# Allegro board WARP7_CPU_REV10_20151109_1600.brd (continued)
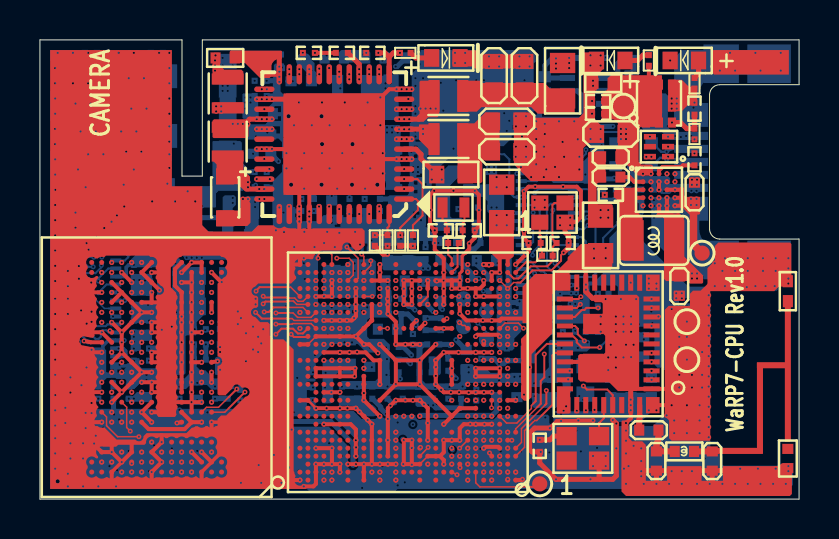
[diagram p0: board, top side]
## Footprints (pads in the part's own frame, mm; a bottom-side part is the same pattern mirrored in y, then rotated) (continued)
FPC2X20_4P4
  rect 0.203x0.559 smd: 1(-3.8,1.304) 2(-3.8,-1.304) 3(-3.4,1.304) 4(-3.4,-1.304) 5(-3,1.304) 6(-3,-1.304) 7(-2.6,1.304) 8(-2.6,-1.304) 9(-2.2,1.304) 10(-2.2,-1.304) 11(-1.8,1.304) 12(-1.8,-1.304) 13(-1.4,1.304) 14(-1.4,-1.304) 15(-1,1.304) 16(-1,-1.304) 17(-0.6,1.304) 18(-0.6,-1.304) 19(-0.2,1.304) 20(-0.2,-1.304) 21(0.2,1.304) 22(0.2,-1.304) 23(0.6,1.304) 24(0.6,-1.304) 25(1,1.304) 26(1,-1.304) 27(1.4,1.304) 28(1.4,-1.304) 29(1.8,1.304) 30(1.8,-1.304) 31(2.2,1.304) 32(2.2,-1.304) 33(2.6,1.304) 34(2.6,-1.304) 35(3,1.304) 36(3,-1.304) 37(3.4,1.304) 38(3.4,-1.304) 39(3.8,1.304) 40(3.8,-1.304)
  rect 0.356x0.559 smd: 41(-4.278,1.304) 42(-4.278,-1.304) 43(4.278,1.304) 44(4.278,-1.3)
L20X16
  rect 0.559x1.6 smd: 1(-0.721,0) 2(0.721,0)
L0402
  rect 0.508x0.559 smd: 1(-0.483,0) 2(0.483,0)
L0603
  rect 0.762x0.889 smd: 1(-0.711,0) 2(0.711,0)
L1008
  rect 1.016x2.032 smd: 1(-1.016,0) 2(1.016,0)
LED0603
  rect 0.762x0.889 smd: 1(-0.711,0) 2(0.711,0)
QFN38_8PUH
  rect 0.813x0.254 smd: 1(-2.169,2.25) 2(-2.169,1.8) 3(-2.169,1.35) 4(-2.169,0.9) 5(-2.169,0.45) 6(-2.169,0) 7(-2.169,-0.45) 8(-2.169,-0.9) 9(-2.169,-1.35) 10(-2.169,-1.8) 11(-2.169,-2.25) 22(2.169,-2.25) 23(2.169,-1.8) 24(2.169,-1.35) 25(2.169,-0.9) 26(2.169,-0.45) 27(2.169,0) 28(2.169,0.45) 29(2.169,0.9) 30(2.169,1.35) 31(2.169,1.8) 32(2.169,2.25)
  rect 0.686x0.813 smd: 12(-2.232,-3.069) 21(2.232,-3.069) 33(2.232,3.069) 42(-2.232,3.069)
  rect 0.254x0.813 smd: 13(-1.575,-3.069) 14(-1.125,-3.069) 15(-0.675,-3.069) 16(-0.225,-3.069) 17(0.225,-3.069) 18(0.675,-3.069) 19(1.125,-3.069) 20(1.575,-3.069) 34(1.575,3.069) 35(1.125,3.069) 36(0.675,3.069) 37(0.225,3.069) 38(-0.225,3.069) 39(-0.675,3.069) 40(-1.125,3.069) 41(-1.575,3.069)
  rect 1.016x1.016 smd: 43(-0.75,1) 44(-0.75,-1) 45(0.75,1) 46(0.75,-1)
QFN48_1P5B
  oval 1.016x0.279 smd: 1(-3.5,2.75) 2(-3.5,2.25) 3(-3.5,1.75) 4(-3.5,1.25) 5(-3.5,0.75) 6(-3.5,0.25) 7(-3.5,-0.25) 8(-3.5,-0.75) 9(-3.5,-1.25) 10(-3.5,-1.75) 11(-3.5,-2.25) 12(-3.5,-2.75) 25(3.5,-2.75) 26(3.5,-2.25) 27(3.5,-1.75) 28(3.5,-1.25) 29(3.5,-0.75) 30(3.5,-0.25) 31(3.5,0.25) 32(3.5,0.75) 33(3.5,1.25) 34(3.5,1.75) 35(3.5,2.25) 36(3.5,2.75)
  oval 0.279x1.016 smd: 13(-2.75,-3.5) 14(-2.25,-3.5) 15(-1.75,-3.5) 16(-1.25,-3.5) 17(-0.75,-3.5) 18(-0.25,-3.5) 19(0.25,-3.5) 20(0.75,-3.5) 21(1.25,-3.5) 22(1.75,-3.5) 23(2.25,-3.5) 24(2.75,-3.5) 37(2.75,3.5) 38(2.25,3.5) 39(1.75,3.5) 40(1.25,3.5) 41(0.75,3.5) 42(0.25,3.5) 43(-0.25,3.5) 44(-0.75,3.5) 45(-1.25,3.5) 46(-1.75,3.5) 47(-2.25,3.5) 48(-2.75,3.5)
  rect 5.08x5.08 smd: 49(0,0)
R0201
  rect 0.305x0.305 smd: 1(-0.267,0) 2(0.267,0)
R0402
  rect 0.508x0.559 smd: 1(-0.483,0) 2(0.483,0)
R0603
  rect 0.762x0.889 smd: 1(-0.711,0) 2(0.711,0)
R0805
  rect 1.016x1.27 smd: 1(-0.889,0) 2(0.889,0)
SOD0402
  rect 0.406x0.61 smd: 1(-0.403,0)
  rect 0.559x0.61 smd: 2(0.329,0)
SOD523
  rect 0.406x0.508 smd: 1(0,0.65) 2(0,-0.65)
SOD0805
  rect 0.813x0.914 smd: 1(-1.05,0) 2(1.05,0)
SOD962
  rect 0.152x0.254 smd: 1(-0.2,0) 2(0.2,0)
SOT363_6
  rect 0.305x0.762 smd: 1(-0.65,-0.9) 2(0,-0.9) 3(0.65,-0.9) 4(0.65,0.9) 5(0,0.9) 6(-0.65,0.9)
TP30
  round 0.762 smd: 1(0,0)
USBS5_6PF
  rect 0.406x1.702 smd: 1(-1.3,3.174) 2(-0.65,3.174) 3(0,3.174) 4(0.65,3.174) 5(1.3,3.174)
  rect 1.194x1.702 smd: 6(-2.35,3.174) 7(2.35,3.174)
  rect 1.93x1.778 smd: 8(-4.915,1.675) 9(4.915,1.675)
  rect 1.93x2.184 smd: 10(-4.915,-0.725) 11(4.915,-0.725)
X2S16X10
  rect 0.508x1.016 smd: 1(-0.55,0) 2(0.55,0)
X4S16X12
  rect 0.864x0.762 smd: 1(-0.632,-0.481) 2(0.632,-0.481) 3(0.632,0.481) 4(-0.632,0.481)
X4S20X16
  rect 0.762x0.66 smd: 1(-0.656,-0.505) 2(0.656,-0.505) 3(0.656,0.505) 4(-0.656,0.505)
X4S25X20
  rect 1.016x0.914 smd: 1(-0.813,-0.612) 2(0.813,-0.612) 3(0.813,0.612) 4(-0.813,0.612)

## Nets
GND: ANT1.2 C2.2 C3.2 C4.2 C5.2 C9.2 C12.2 C13.2 C14.2 C15.2 C17.2 C18.2 C19.2 C20.2 C21.2 C22.2 C23.2 C24.2 C25.2 C26.2 C27.2 C28.2 C29.2 C30.2 C31.2 C32.2 C33.2 C34.2 C35.2 C36.2 C37.2 C38.2 C39.2 C40.2 C41.2 C42.2 C43.2 C44.2 C45.2 C46.2 C47.2 C48.2 C49.2 C50.2 C51.2 C52.2 C53.2 C54.2 C55.2 C56.2 C57.2 C58.2 C59.2 C60.2 C61.2 C62.2 C63.2 C64.2 C65.2 C66.2 C67.2 C68.2 C69.2 C70.2 C71.2 C72.2 C73.2 C74.2 C75.2 C76.2 C77.2 C78.2 C79.2 C80.2 C81.2 C82.2 C83.2 C84.2 C85.2 C86.2 C87.2 C88.2 C89.2 C90.2 C91.2 C92.2 C93.2 C94.2 C95.2 C96.2 C97.2 C98.2 C99.2 C102.2 C103.2 C104.2 C105.2 C106.2 C107.2 C108.2 C109.2 C110.2 C111.2 C112.2 C113.2 C114.2 C115.2 C116.2 C117.2 C118.2 C119.2 C120.2 C121.2 C122.2 C123.2 C124.2 C125.2 C126.2 C127.2 C128.2 C129.2 C130.2 C131.2 C132.2 C133.2 C134.2 C135.2 C136.2 C137.2 C138.2 C139.2 C140.2 C141.2 C142.2 C143.2 C144.2 C145.2 C146.2 C147.2 C148.2 C149.2 C153.2 C154.2 C155.2 C156.2 C157.2 C158.2 C159.2 D1.1(ANODE) D3.2(CATHODE) D5.4(GND) D6.2(CATHODE) J1.5(P5) J2.13 J2.17 J2.20 J2.23 J2.24 J2.25 J2.30 J2.31 J2.36 J2.41 J2.42 J2.43 J2.44 J3.12 J3.16 J3.20 J3.28 J3.29 J3.32 J3.33 J3.41 J3.42 J3.43 J3.44 J6.1(DGND1) J6.4(DGND6) J6.10(DGND5) J6.11(DGND2) J6.15(DGND3) J6.16(DGND4) J6.21 J6.22 J6.23 J6.24 Q2.4(E2) R5.1 R8.1 R9.1 R14.1 R32.2 R33.1 R34.1 R35.1 R36.1 R37.2 R38.2 R40.1 R41.2 R47.1 TP8.1(PIN1) TP9.1(PIN1) TP10.1(PIN1) TP11.1(PIN1) TVS1.1(A1) U1.B3(BATSNSN) U1.C3(GND) U2.5(ICTEST) U2.12(GNDREF1) U2.26(GNDREF2) U2.31(VPWR) U2.39(VDDOTP) U2.40(GNDREF) U2.49(EPAD) U3.A1(VSS_001) U3.A28(VSS_002) U3.AA3(TEST_MODE) U3.AA4(VSS_057) U3.AA6(VSS_058) U3.AA23(VSS_059) U3.AA25(VSS_060) U3.AC8(VSS_061) U3.AC10(VSS_062) U3.AC12(VSS_063) U3.AC14(VSS_064) U3.AC15(VSS_065) U3.AC17(VSS_066) U3.AC21(VSS_067) U3.AD3(VSS_068) U3.AD5(VSS_069) U3.AD6(VSS_070) U3.AD24(VSS_071) U3.AD26(VSS_072) U3.AE2(CCM_CLK2) U3.AE6(VSS_073) U3.AE7(VSS_074) U3.AE8(VSS_075) U3.AE9(VSS_076) U3.AE17(VSS_077) U3.AE21(VSS_078) U3.AF3(VSS_079) U3.AF5(VSS_080) U3.AF8(VSS_081) U3.AF9(VSS_082) U3.AF10(VSS_083) U3.AF11(VSS_084) U3.AF13(VSS_085) U3.AF14(VSS_086) U3.AF15(VSS_087) U3.AF24(VSS_088) U3.AF26(VSS_089) U3.AG10(VSS_090) U3.AH1(VSS_091) U3.AH28(VSS_092) U3.B5(VSS_003) U3.B23(VSS_004) U3.B26(VSS_005) U3.C3(VSS_006) U3.C5(VSS_007) U3.C7(VSS_008) U3.C10(VSS_009) U3.C13(VSS_010) U3.C14(VSS_011) U3.C15(VSS_012) U3.C23(VSS_013) U3.C24(VSS_014) U3.C25(VSS_015) U3.C26(VSS_016) U3.D8(VSS_017) U3.D11(VSS_018) U3.D12(VSS_019) U3.D17(VSS_020) U3.D21(VSS_021) U3.E3(VSS_022) U3.E5(VSS_023) U3.E24(VSS_024) U3.E26(VSS_025) U3.F8(VSS_026) U3.F9(VSS_027) U3.F10(VSS_028) U3.F12(VSS_029) U3.F14(VSS_030) U3.F15(VSS_031) U3.F17(VSS_032) U3.F21(VSS_033) U3.H4(VSS_034) U3.H6(VSS_035) U3.H23(VSS_036) U3.H25(VSS_037) U3.L13(VSS_038) U3.L16(VSS_039) U3.M4(VSS_040) U3.M6(VSS_041) U3.M23(VSS_042) U3.M25(VSS_043) U3.N11(VSS_044) U3.N18(VSS_045) U3.T11(VSS_046) U3.T18(VSS_047) U3.U4(VSS_048) U3.U6(VSS_049) U3.U23(VSS_050) U3.U25(VSS_051) U3.V13(VSS_052) U3.V16(VSS_053) U3.W3(VSS_054) U3.W6(VSS_055) U3.Y16(VSS_056) U4.A3(VSSM1) U4.A8(VSSM2) U4.A12(VSSM3) U4.AA2(VSS47) U4.AA4(VSS48) U4.AA8(VSS49) U4.AA11(VSS50) U4.B2(VSSM4) U4.B7(VSSM5) U4.B11(VSSM6) U4.C3(VSSM7) U4.C5(VSSM8) U4.C8(VSSM9) U4.C10(VSSM10) U4.C12(VSSM11) U4.C13(VSSM12) U4.D7(VSSM13) U4.F2(VSS1) U4.F13(VSS2) U4.G4(VSS3) U4.G8(VSS4) U4.G11(VSS5) U4.H3(VSS6) U4.H4(VSS7) U4.H5(VSS8) U4.H10(VSS9) U4.J4(VSS10) U4.J8(VSS11) U4.J13(VSS12) U4.K4(VSS13) U4.K8(VSS14) U4.K9(VSS15) U4.L4(VSS16) U4.L10(VSS17) U4.L12(VSS18) U4.M3(VSS19) U4.M4(VSS20) U4.M8(VSS21) U4.N4(VSS22) U4.N8(VSS23) U4.N13(VSS24) U4.P2(VSS25) U4.P4(VSS26) U4.P9(VSS27) U4.P12(VSS28) U4.R3(VSS29) U4.R4(VSS30) U4.R8(VSS31) U4.R13(VSS32) U4.T4(VSS33) U4.T8(VSS34) U4.U4(VSS35) U4.U10(VSS36) U4.U12(VSS37) U4.V4(VSS38) U4.V8(VSS39) U4.V9(VSS40) U4.W4(VSS41) U4.W8(VSS42) U4.W13(VSS43) U4.Y4(VSS44) U4.Y5(VSS45) U4.Y10(VSS46) U5.1(GND0) U5.12(GND1) U5.19(GND2) U5.21(GND3) U5.29(GND4) U5.35(GND5) U5.40(GND6) U5.42(GND7) U5.43(GND8) U5.44(GND9) U5.45(GND10) U5.46(GND11) X1.2(GND) X2.2(GND) Y2.2 Y2.4
GND_SR_PVSS: C150.2 C151.2 R41.1 U5.32(GND(SR_PVSS)1) U5.33(GND(SR_PVSS)2)
PGND: C7.2 C8.2 C11.2 R9.2 U1.E1(PGND1) U1.E2(PGND2)
PVCC_ENET_CAP: C93.1 U3.G16(PVCC_ENET_CAP)
PVCC_I2C_SPI_UART_CAP: C102.1 U3.W8(PVCC_I2C_SPI_UART_CAP)
VBAT: C12.1 J3.1 J3.2 J3.3 J3.4 J3.6 TP12.1(PIN1) U1.C4(BATREG) U1.C5(CHGOUT1) U1.D5(CHGOUT2) U1.E5(CHGOUT3)
VDD_1P2_CAP: C69.1 C70.1 U3.AA10(VDD_1P2_CAP) U3.C12(VDD_USB_H_1P2_1) U3.G13(VDD_USB_H_1P2_2)
VDD_ARM_IN: C50.1 C51.1 C52.1 C53.1 R16.1 U2.6(SW1AFB) U3.A20(VDD_ARM_IN_01) U3.B20(VDD_ARM_IN_02) U3.C16(VDD_ARM_IN_03) U3.C17(VDD_ARM_IN_04) U3.C18(VDD_ARM_IN_05) U3.C19(VDD_ARM_IN_06) U3.C20(VDD_ARM_IN_07) U3.C21(VDD_ARM_IN_08) U3.C22(VDD_ARM_IN_09) U3.F19(VDD_ARM_IN_10) U3.H19(VDD_ARM_IN_11) U3.J20(VDD_ARM_IN_12) U3.K21(VDD_ARM_IN_13) U3.K23(VDD_ARM_IN_14) U3.K26(VDD_ARM_IN_15) U3.L27(VDD_ARM_IN_16) U3.L28(VDD_ARM_IN_17)
VDD_OTG1_1P0_CAP: C96.1 C97.1 U3.E9(VDD_USB_OTG1_1P0_CAP)
VDD_SNVS_1P8_CAP: C76.1 U3.AG7(VDD_SNVS_1P8_CAP)
VDD_SOC_IN: C61.1 C62.1 C63.1 C64.1 C65.1 C68.1 R21.2 U2.11(SW1BFB) U3.H10(VDD_SOC_IN_01) U3.J9(VDD_SOC_IN_02) U3.K3(VDD_SOC_IN_03) U3.K6(VDD_SOC_IN_04) U3.K8(VDD_SOC_IN_05) U3.L1(VDD_SOC_IN_06) U3.L2(VDD_SOC_IN_07) U3.L11(VDD_SOC_IN_08) U3.L18(VDD_SOC_IN_09) U3.N13(VDD_SOC_IN_10) U3.N16(VDD_SOC_IN_11) U3.P3(VDD_SOC_IN_12) U3.P6(VDD_SOC_IN_13) U3.P23(VDD_SOC_IN_14) U3.P26(VDD_SOC_IN_15) U3.R3(VDD_SOC_IN_16) U3.R6(VDD_SOC_IN_17) U3.R23(VDD_SOC_IN_18) U3.R26(VDD_SOC_IN_19) U3.T13(VDD_SOC_IN_20) U3.T16(VDD_SOC_IN_21) U3.V11(VDD_SOC_IN_22) U3.V18(VDD_SOC_IN_23)
VDDA_1P0_CAP: C66.1 C67.1 U3.AH7(VDDA_1P0_CAP)
VDDA_1P8_IN: C71.1 C72.1 L8.2 R22.2 U3.AF4(VDDA_1P8_IN_01) U3.AG3(VDDA_1P8_IN_02) U3.AG4(VDDA_1P8_IN_03) U3.AH2(VDD_XTAL_1P8)
VDDA_PHY_1P8: C58.1 C59.1 C60.1 U3.J15(VDDA_MIPI_1P8) U3.Y14(VDDA_PHY_1P8)
VDDD_1P0_CAP: C54.1 C55.1 C56.1 C57.1 U3.AC13(VDDD_1P0_CAP1) U3.AE12(VDDD_1P0_CAP2) U3.AF12(VDDD_1P0_CAP3) U3.J16(VDD_MIPI_1P0)
VDDIO_WL: C149.1 L11.1 R42.2 R43.2 R44.2 R45.2 R46.2 U5.36(VIO)
AUDIO_SAI1_MCLK: J3.30 U3.D3(SAI1_MCLK)
AUDIO_SAI1_RXD: J3.35 U3.F3(SAI1_RXD)
AUDIO_SAI1_TXC: J3.31 U3.F4(SAI1_TXC)
AUDIO_SAI1_TXD: J3.36 U3.G5(SAI1_TXD)
AUDIO_SAI1_TXFS: J3.34 U3.F5(SAI1_TXFS)
BC3770_INT_B: R13.1 U1.B5(INTB) U3.G2(SD2_CMD)
BC3770_SHDN_B: U1.D3(SHDNB) U3.G1(SD2_CLK)
BOOT_MODE0: J2.28 U3.Y1(BOOT_MODE0)
BOOT_MODE1: J2.26 U3.Y2(BOOT_MODE1)
BT_HOST_WAKE: U3.E1(S\D\2\_\C\D\) U5.38(BT_HOST_WAKE)
BT_REG_ON: U3.G3(SD2_DATA3) U5.14(BT_REG_ON)
CHARGE_EN_B: U1.D2(CHGENB) U3.F2(SD2_DATA0)
CSI_PWDN_B: J6.5(PWDN) U3.V4(GPIO1_IO00)
DDR_VREF: C21.1 C107.1 C108.1 C109.1 U2.25(VREFDDR) U3.T20(DRAM_VREF) U4.M2(VREFCA) U4.P13(VREFDQ)
DRAM_ADDR0: U3.AC24(DRAM_ADDR00) U4.Y2(CA0)
DRAM_ADDR1: U3.AC25(DRAM_ADDR01) U4.Y3(CA1)
DRAM_ADDR2: U3.AC26(DRAM_ADDR02) U4.W2(CA2)
DRAM_ADDR3: U3.AB25(DRAM_ADDR03) U4.W3(CA3)
DRAM_ADDR4: U3.AB24(DRAM_ADDR04) U4.V3(CA4)
DRAM_ADDR5: U3.AE23(DRAM_ADDR05) U4.L3(CA5)
DRAM_ADDR6: U3.AF23(DRAM_ADDR06) U4.K3(CA6)
DRAM_ADDR7: U3.AE22(DRAM_ADDR07) U4.J3(CA7)
DRAM_ADDR8: U3.AD22(DRAM_ADDR08) U4.J2(CA8)
DRAM_ADDR9: U3.AC22(DRAM_ADDR09) U4.H2(CA9)
DRAM_CS0_B: U3.AE26(D\R\A\M\_\C\S\0\) U4.U3(C\S\0\)
DRAM_CS1_B: U3.AC23(D\R\A\M\_\C\S\1\) U4.T3(C\S\1\)
DRAM_DATA0: U3.AH22(DRAM_DATA00) U4.W12(DQ0)
DRAM_DATA1: U3.AG19(DRAM_DATA01) U4.V11(DQ1)
DRAM_DATA2: U3.AG20(DRAM_DATA02) U4.V13(DQ2)
DRAM_DATA3: U3.AF22(DRAM_DATA03) U4.U11(DQ3)
DRAM_DATA4: U3.AF20(DRAM_DATA04) U4.U13(DQ4)
DRAM_DATA5: U3.AG22(DRAM_DATA05) U4.T11(DQ5)
DRAM_DATA6: U3.AF21(DRAM_DATA06) U4.T13(DQ6)
DRAM_DATA7: U3.AH20(DRAM_DATA07) U4.R12(DQ7)
DRAM_DATA8: U3.AC18(DRAM_DATA08) U4.N12(DQ8)
DRAM_DATA9: U3.AB18(DRAM_DATA09) U4.M13(DQ9)
DRAM_DATA10: U3.AD16(DRAM_DATA10) U4.M11(DQ10)
DRAM_DATA11: U3.AC16(DRAM_DATA11) U4.L13(DQ11)
DRAM_DATA12: U3.AD18(DRAM_DATA12) U4.L11(DQ12)
DRAM_DATA13: U3.AE18(DRAM_DATA13) U4.K11(DQ13)
DRAM_DATA14: U3.AB16(DRAM_DATA14) U4.K13(DQ14)
DRAM_DATA15: U3.AE16(DRAM_DATA15) U4.J12(DQ15)
DRAM_DATA16: U3.W27(DRAM_DATA16) U4.AB12(DQ16)
DRAM_DATA17: U3.Y27(DRAM_DATA17) U4.AB11(DQ17)
DRAM_DATA18: U3.Y26(DRAM_DATA18) U4.AB10(DQ18)
DRAM_DATA19: U3.Y28(DRAM_DATA19) U4.AA13(DQ19)
DRAM_DATA20: U3.AA26(DRAM_DATA20) U4.AA12(DQ20)
DRAM_DATA21: U3.AB26(DRAM_DATA21) U4.AA10(DQ21)
DRAM_DATA22: U3.AB27(DRAM_DATA22) U4.Y13(DQ22)
DRAM_DATA23: U3.AB28(DRAM_DATA23) U4.Y11(DQ23)
DRAM_DATA24: U3.V23(DRAM_DATA24) U4.H11(DQ24)
DRAM_DATA25: U3.V22(DRAM_DATA25) U4.H13(DQ25)
DRAM_DATA26: U3.T23(DRAM_DATA26) U4.G10(DQ26)
DRAM_DATA27: U3.T22(DRAM_DATA27) U4.G12(DQ27)
DRAM_DATA28: U3.V24(DRAM_DATA28) U4.G13(DQ28)
DRAM_DATA29: U3.V25(DRAM_DATA29) U4.F10(DQ29)
DRAM_DATA30: U3.T25(DRAM_DATA30) U4.F11(DQ30)
DRAM_DATA31: U3.T24(DRAM_DATA31) U4.F12(DQ31)
DRAM_DQM0: U3.AH24(DRAM_DQM0) U4.R10(DM0)
DRAM_DQM1: U3.AD20(DRAM_DQM1) U4.N10(DM1)
DRAM_DQM2: U3.AD28(DRAM_DQM2) U4.W10(DM2)
DRAM_DQM3: U3.Y25(DRAM_DQM3) U4.J10(DM3)
DRAM_ODT: U3.AF16(DRAM_ODT0) U4.P10(ODT)
DRAM_SDCKE0: R38.1 U3.Y22(DRAM_SDCKE0) U4.T2(CKE0)
DRAM_SDCKE1: R37.1 U3.AB23(DRAM_SDCKE1) U4.R2(CKE1)
DRAM_SDCLK0_N: U3.AF25(DRAM_SDCLK0_N) U4.N3(CK_C)
DRAM_SDCLK0_P: U3.AE25(DRAM_SDCLK0_P) U4.P3(CK_T)
DRAM_SDQS0_N: U3.AG23(DRAM_SDQS0_N) U4.R9(DQS0_C)
DRAM_SDQS0_P: U3.AG24(DRAM_SDQS0_P) U4.T9(DQS0_T)
DRAM_SDQS1_N: U3.AC20(DRAM_SDQS1_N) U4.N9(DQS1_C)
DRAM_SDQS1_P: U3.AB20(DRAM_SDQS1_P) U4.M9(DQS1_T)
DRAM_SDQS2_N: U3.AD27(DRAM_SDQS2_N) U4.W9(DQS2_C)
DRAM_SDQS2_P: U3.AC27(DRAM_SDQS2_P) U4.Y9(DQS2_T)
DRAM_SDQS3_N: U3.Y24(DRAM_SDQS3_N) U4.J9(DQS3_C)
DRAM_SDQS3_P: U3.Y23(DRAM_SDQS3_P) U4.H9(DQS3_T)
DRAM_VDD1: C115.1 C116.1 C117.1 C118.1 C119.1 L9.2 U4.AA3(VDD1_5) U4.AA5(VDD1_6) U4.AB3(VDD1_7) U4.AB4(VDD1_8) U4.AB9(VDD1_9) U4.F3(VDD1_1) U4.F4(VDD1_2) U4.F9(VDD1_3) U4.G5(VDD1_4)
I2C1_SCL: R12.1 U1.A4(SCL) U2.46(SCL) U3.N4(I2C1_SCL)
I2C1_SDA: R11.1 U1.A5(SDA) U2.45(SDA) U3.N5(I2C1_SDA)
I2C2_SCL: J3.14 J6.18(SIOC) U3.N6(I2C2_SCL)
I2C2_SDA: J3.13 J6.20(SIOD) U3.N7(I2C2_SDA)
I2C3_SCL: J3.27 R28.1 U3.T6(I2C3_SCL)
I2C3_SDA: J3.26 R29.1 U3.T7(I2C3_SDA)
I2C4_SCL: J2.8 R30.1 U3.T5(I2C4_SCL)
I2C4_SDA: J2.7 R31.1 U3.T4(I2C4_SDA)
JTAG_MOD: J3.22 U3.AB1(JTAG_MOD)
JTAG_TCK: J3.18 U3.AD1(JTAG_TCK)
JTAG_TDI: J3.21 U3.AC2(JTAG_TDI)
JTAG_TDO: J3.19 U3.AE1(JTAG_TDO)
JTAG_TMS: J3.17 U3.AD2(JTAG_TMS)
JTAG_TRST_B: J3.15 U3.AB2(J\T\A\G\_\T\R\S\T\)
LCD_BK_CTL: J2.5 U3.D7(ENET1_RD2)
LICELL: C22.1 U2.36(LICELL)
MCLK: J6.13(MCLK) X2.3(OUT)
MIPI_CSI_CLK_N: J6.14(CLK_N) U3.B16(MIPI_CSI_CLK_N)
MIPI_CSI_CLK_P: J6.12(CLK_P) U3.A16(MIPI_CSI_CLK_P)
MIPI_CSI_D0_N: J6.8(MDN0) U3.B18(MIPI_CSI_D0_N)
MIPI_CSI_D0_P: J6.6(MDP0) U3.A18(MIPI_CSI_D0_P)
MIPI_DSI_CLK_N: J2.34 U3.B24(MIPI_DSI_CLK_N)
MIPI_DSI_CLK_P: J2.32 U3.A24(MIPI_DSI_CLK_P)
MIPI_DSI_D0_N: J2.29 U3.B25(MIPI_DSI_D0_N)
MIPI_DSI_D0_P: J2.27 U3.A25(MIPI_DSI_D0_P)
MKBUS_ESPI3_MISO: J2.19 U3.P2(ECSPI2_MISO)
MKBUS_ESPI3_MOSI: J2.16 U3.N2(ECSPI2_MOSI)
MKBUS_ESPI3_SCLK: J2.15 U3.N1(ECSPI2_SCLK)
MKBUS_ESPI3_SS0_B: J2.14 U3.R2(ECSPI2_SS0)
MKBUS_INT: J2.21 U3.D13(ENET1_TD1)
MKBUS_PWM2: J2.22 U3.E16(ENET1_TD2)
MKBUS_RST: J2.18 U3.E13(ENET1_TD0)
MKBUS_UART5_RXD: J3.23 U3.L3(ECSPI1_MOSI)
MKBUS_UART5_TXD: J3.24 U3.K2(ECSPI1_SCLK)
MX7_ONOFF: J3.9 U3.AD13(ONOFF)
NOBAT: J3.5 U1.C2(NOBAT)
NTAG_FD_INT: J3.11 U3.F16(ENET1_TD3)
NVCC_3V15: C33.1 C49.1 C82.1 C85.1 C89.1 C91.1 C92.1 C95.1 C99.1 C120.1 C121.1 C153.1 R11.2 R12.2 R13.2 R28.2 R29.2 R30.2 R31.2 R39.1 U1.B4(VIO) U2.32(V33) U2.47(VDDIO) U3.D9(VDD_USB_OTG1_3P3_IN) U3.J11(NVCC_SD1) U3.J13(NVCC_SAI) U3.J18(NVCC_ENET1) U3.L20(NVCC_LCD) U3.N9(NVCC_SD3) U3.N20(NVCC_EPDC2) U3.P9(NVCC_SPI) U3.P20(NVCC_EPDC1) U3.R9(NVCC_I2C) U3.T9(NVCC_UART) U4.A4(VCCQ1) U4.B6(VCCQ2) U4.B9(VCCQ3) U4.C7(VCCQ4) U4.C11(VCCQ5) X1.4(VCC)
NVCC_DRAM: C16.1 C106.1 C110.1 C111.1 C112.1 C113.1 C114.1 C124.1 C125.1 C126.1 C127.1 C128.1 C129.1 C130.1 C131.1 C132.1 C133.1 C134.1 C135.1 C136.1 C137.1 C138.1 C139.1 C140.1 C141.1 C142.1 C143.1 C144.1 C145.1 C146.1 C147.1 C148.1 R15.2 U2.24(VINREFDDR) U3.AA19(NVCC_DRAM_07) U3.AC19(NVCC_DRAM_08) U3.AF17(NVCC_DRAM_09) U3.AF18(NVCC_DRAM_10) U3.AF19(NVCC_DRAM_11) U3.AG18(NVCC_DRAM_12) U3.AH18(NVCC_DRAM_13) U3.V20(NVCC_DRAM_CKE) U3.V27(NVCC_DRAM_01) U3.V28(NVCC_DRAM_02) U3.W21(NVCC_DRAM_03) U3.W23(NVCC_DRAM_04) U3.W26(NVCC_DRAM_05) U3.Y20(NVCC_DRAM_06) U4.AA9(VDDQ_22) U4.AB5(VDD2_17) U4.AB8(VDD2_18) U4.F5(VDD2_1) U4.F8(VDD2_2) U4.G9(VDDQ_1) U4.H8(VDDQ_2) U4.H12(VDDQ_3) U4.J5(VDD2_3) U4.J11(VDDQ_4) U4.K2(VDDCA_1) U4.K5(VDD2_4) U4.K10(VDDQ_5) U4.K12(VDDQ_6) U4.L2(VDD2_5) U4.L5(VDD2_6) U4.L8(VDDQ_7) U4.L9(VDDQ_8) U4.M5(VDD2_7) U4.M10(VDDQ_9) U4.M12(VDDQ_10) U4.N2(VDDCA_2) U4.N5(VDD2_8) U4.N11(VDDQ_11) U4.P5(VDD2_9) U4.P8(VDD2_10) U4.P11(VDD2_11) U4.R5(VDD2_12) U4.R11(VDDQ_12) U4.T5(VDD2_13) U4.T10(VDDQ_13) U4.T12(VDDQ_14) U4.U2(VDDCA_3) U4.U5(VDD2_14) U4.U8(VDDQ_15) U4.U9(VDDQ_16) U4.V2(VDDCA_4) U4.V5(VDD2_15) U4.V10(VDDQ_17) U4.V12(VDDQ_18) U4.W5(VDD2_16) U4.W11(VDDQ_19) U4.Y8(VDDQ_20) U4.Y12(VDDQ_21)
NVCC_SD2: C32.1 C86.1 U2.33(VCC_SD) U3.L9(NVCC_SD2)
OVRPRTC: Q2.2(B2) R7.2 R8.2
PCM_CLK: U3.D4(SAI2_TXC) U5.11(BT_PCM_CLK)
PCM_IN: U3.D6(SAI2_TXD) U5.9(BT_PCM_IN)
PCM_OUT: U3.E6(SAI2_RXD) U5.10(BT_PCM_OUT)
PCM_SYNC: U3.F6(SAI2_TXFS) U5.8(BT_PCM_SYNC)
PERI_3V15: C122.1 C123.1 C158.1 D8.2(A) J2.1 J2.2 J2.3 J2.4 L11.2 U4.B3(VCC1) U4.B12(VCC2) U4.B13(VCC3) U4.C4(VCC4) U4.D8(VCC5)
PMIC_5V0: C37.1 C38.1 D7.2(C) J2.33 J2.35 U2.37(SWBSTFB)
PMIC_INT_B: R17.1 U2.1(INTB) U3.Y7(GPIO1_IO02)
PMIC_ON_REQ: R19.1 R20.2 U2.48(PWRON) U3.AE13(SNVS_PMIC_ON_REQ)
PMIC_PWR: C11.1 C13.1 C26.1 C27.1 C28.1 C29.1 C30.1 C31.1 C34.1 C35.1 C36.1 C43.1 C151.1 J3.37 J3.38 J3.39 J3.40 L2.2 L6.2 R10.2 TP7.1(PIN1) U1.D4(VSYS1) U1.E3(VSYS2) U1.E4(VSYS3) U2.7(SW1AIN) U2.10(SW1BIN) U2.13(VLDO1IN) U2.18(SW2IN) U2.21(VLDO34IN) U2.28(SW3IN) U2.38(VIN2) U2.42(VIN) U5.30(VBAT)
PMIC_PWRON: J3.25 R20.1
PMIC_SD_VSEL: U2.2(SD_VSEL) U3.E2(SD2_DATA1)
PMIC_STBY_REQ: U2.4(STANDBY) U3.AD11(PMIC_STBY_REQ)
PMIC_VCORE: C46.1 U2.41(VCORE)
PMIC_VCOREREF: C45.1 U2.44(VCOREREF)
POR_B: J3.7 R18.1 U2.3(RESETBMCU) U3.Y3(P\O\R\)
PSU_5V0: C3.1 C4.1 C5.1 C7.1 Q1.1(D1) Q1.2(D2) Q1.5(D3) Q1.6(D4) Q1.7(D5) R2.2 TP6.1(PIN1) TVS1.2(A2) U1.A1(VBUS1) U1.A2(VBUS2)
PWR_LED: D3.1(ANODE) R2.1
PWR_OV_BASE: Q2.1(B1) R4.2
PWR_OV_CTL: D1.2(CATHODE) R1.1 R4.1
RTC_XTALI: C84.1 R26.1 U3.AG9(RTC_XTALI) Y1.1
RTC_XTALO: C83.1 R26.2 U3.AH9(RTC_XTALO) Y1.2
SD1_CLK: U3.B3(SD1_CLK) U5.20(SDIO_CLK)
SD1_CMD: R44.1 U3.A2(SD1_CMD) U5.22(SDIO_CMD)
SD1_DATA0: R42.1 U3.B4(SD1_DATA0) U5.24(SDIO_DATA_0)
SD1_DATA1: R45.1 U3.A4(SD1_DATA1) U5.26(SDIO_DATA_1)
SD1_DATA2: R46.1 U3.B2(SD1_DATA2) U5.23(SDIO_DATA_2)
SD1_DATA3: R43.1 U3.B1(SD1_DATA3) U5.25(SDIO_DATA_3)
SD3_CLK: U3.J6(SD3_CLK) U4.B8(CLK)
SD3_CMD: R39.2 U3.L4(SD3_CMD) U4.A6(CMD)
SD3_DATA0: U3.G6(SD3_DATA0) U4.A9(DAT0)
SD3_DATA1: U3.G7(SD3_DATA1) U4.B10(DAT1)
SD3_DATA2: U3.L7(SD3_DATA2) U4.C6(DAT2)
SD3_DATA3: U3.L6(SD3_DATA3) U4.B5(DAT3)
SD3_DATA4: U3.L5(SD3_DATA4) U4.C9(DAT4)
SD3_DATA5: U3.J7(SD3_DATA5) U4.A10(DAT5)
SD3_DATA6: U3.J5(SD3_DATA6) U4.A5(DAT6)
SD3_DATA7: U3.J4(SD3_DATA7) U4.B4(DAT7)
SD3_RESET_B: U3.J2(S\D\3\_\R\E\S\E\T\) U4.C2(R\E\S\E\T\)
SENSOR_INT_B: J2.10 U3.F7(ENET1_RD0)
SW1A_1V15: C39.1 C40.1 L3.1 R16.2
SW1ALX: L3.2 U2.8(SW1ALX)
SW1B_1V15: C41.1 C42.1 L5.1 R21.1
SW1BLX: L5.2 U2.9(SW1BLX)
SW2_1V8: C15.1 C47.1 C48.1 C74.1 C103.1 C104.1 C156.1 C157.1 C159.1 D9.2(A) J2.37 J2.38 J2.39 J2.40 J6.2(IOVDD) L7.1 L8.1 L9.1 R17.2 R18.2 R22.1 U2.16(VLDO2IN) U2.19(SW2FB) U3.AH4(VDDA_ADC1_1P8) U3.AH5(VDD_TEMPSENSOR_1P8) U3.V9(FUSE_FSOURCE) X2.4(VCC)
SW2LX: L7.2 U2.17(SW2LX)
SW3_1V2: C24.1 C25.1 L4.2 R15.1 U2.27(SW3FB)
SW3LX: L4.1 U2.29(SW3LX)
SWBSTLX: D7.1(A) L6.1 U2.35(SWBSTLX)
TOUCH_INT_B: J2.6 U3.V5(GPIO1_IO01)
UART1_RXD: J3.10 U3.T1(UART1_RXD)
UART1_TXD: J3.8 U3.V1(UART1_TXD)
UART2_RXD: J2.12 U3.T2(UART2_RXD)
UART2_TXD: J2.11 U3.T3(UART2_TXD)
UART3_CTS_B: U3.V3(UART3_CTS) U5.5(BT_UART_RTS_N)
UART3_RTS_B: U3.W2(UART3_RTS) U5.4(BT_UART_CTS_N)
UART3_RXD: U3.V2(UART3_RXD) U5.3(BT_UART_TXD)
UART3_TXD: U3.U3(UART3_TXD) U5.2(BT_UART_RXD)
USB_OTG1_DN: L1.4 U3.B7(USB_OTG1_DN)
USB_OTG1_DP: L1.3 U3.A7(USB_OTG1_DP)
USB_OTG1_ID: D5.3(ID) J1.4(P4) U3.B9(USB_OTG1_ID)
USB_OTG_N: D5.2(D-) J1.2(P2) L1.1
USB_OTG_P: D5.1(D+) J1.3(P3) L1.2
USB_OTG_VBUS: C1.1 C2.1 C98.1 D5.6(VBUS) J1.1(P1) Q1.4(S1) Q1.8(S2) Q2.5(E1) R1.2 R3.2 R6.1 U3.C9(USB_OTG1_VBUS)
USER_PB1: J2.9 U3.E7(ENET1_RD1)
VCOREDIG: C44.1 U2.43(VCOREDIG)
VHALF: C16.2 C20.1 U2.23(VHALF)
VLDO1_1V8: C14.1 R24.1 U2.14(VLDO1)
VLDO2_1V2: C17.1 U2.15(VLDO2)
VLDO3_1V8: C18.1 C79.1 C80.1 U2.20(VLDO3) U3.Y9(NVCC_GPIO1) U3.Y11(NVCC_GPIO2)
VLDO4_1V8: C19.1 U2.22(VLDO4)
VSNVS: C23.1 R19.2 R23.1 U2.34(VSNVS)
WL_HOST_WAKE: U3.J3(S\D\2\_\R\E\S\E\T\) U5.27(WL_HOST_WAKE)
WL_REG_ON: U3.D1(SD2_WP) U5.28(WL_REG_ON)
XTALI: C88.1 R27.1 U3.AG2(XTALI) Y2.3
XTALO: C87.1 R27.2 U3.AG1(XTALO) Y2.1
N16715546: C75.1 R23.2 U3.Y13(VDD_SNVS_IN)
N16717276: C77.1 R24.2 U3.AG5(VDD_LPSR_IN)
N16729332: C73.1 U3.B19(MIPI_VREG_0P4V)
N16730613: C78.1 U3.AG6(VDD_LPSR_1P0_CAP)
N16732259: C81.1 U3.AB11(PVCC_GPIO_CAP)
N16799029: C94.1 U3.R20(PVCC_EPDC_LCD_CAP)
N16801468: C90.1 U3.J14(PVCC_SAI_SD_CAP)
N16807462: TP1.1(PIN1) U3.B6(U\S\B\_\O\T\G\1\_\C\H\D\)
N16808190: R32.1 U3.C8(USB_OTG1_REXT)
N16808656: R33.2 U3.AF7(TEMPSENSOR_REXT)
N16808674: R34.2 U3.AF6(TEMPSENSOR_RESERVE)
N16918268: C9.1 U1.A3(VL)
N16918272: C8.1 U1.B1(PMID)
N16918287: C10.1 U1.B2(BOOT)
N16918299: C10.2 L2.1 U1.C1(LX1) U1.D1(LX2)
N16978244: R40.2 U3.Y18(DRAM_ZQPAD)
N16981434: R36.2 U4.G2(ZQ0)
N16981445: R35.2 U4.G3(ZQ1)
N17032843: D2.2(A) Q2.6(C1) R7.1
N17048427: C1.2 D2.1(C) Q1.3(G) R3.1 R5.2
N17049476: J1.6(SHLD1) J1.7(SHLD3) J1.8(SHLD2) J1.9(SHLD4) J1.10(SHLD5) J1.11 R14.2
N17054578: D4.1(ANODE) R6.2
N17054581: D4.2(CATHODE) Q2.3(C2)
N17197487: L10.2 U5.34(SR_VLX)
N17208031: C150.1 L10.1 U5.31(VIN_LDO)
N17502336: C152.2 C154.1 L12.1
N17502347: ANT1.1 C155.1 L12.2 R47.2
N17546897: C105.1 U4.A11(VDDI)
N18265392: U5.37(LPO_IN(32KHZ)) X1.3(OUT)
N18359197: C152.1 U5.41(ANT)
N18608177: D8.1(C) J6.7(AVDD)
N18608195: D9.1(C) J6.9(DVDD)
N18703906: D6.1(ANODE) R10.1
N175447380: TP3.1(PIN1) U3.AC7(ADC1_IN1)
N175447470: TP4.1(PIN1) U3.AD7(ADC1_IN2)
N175447560: TP5.1(PIN1) U3.AD9(ADC1_IN3)
N183832490: TP2.1(PIN1) U3.AB7(ADC1_IN0)

Pads without a net: D5 5; J6 3 17 19; U2 30; U3 A5 A9 A11 A13 A22 A27 AB3 AB4 AB5 AB6 AB9 AB13 AB22 AC3 AC4 AC5 AC6 AC9 AC11 AD23 AE3 AE4 AE11 AE20 AE27 AE28 AF2 AF27 AG11 AG13 AG14 AG15 AG16 AG25 AG26 AG27 AG28 AH11 AH13 AH16 AH25 AH27 B10 B11 B13 B14 B15 B22 B27 B28 C2 C4 C6 C11 C27 D2 D16 D18 D20 D22 D23 D25 D26 D27 D28 E11 E18 E20 E22 E23 E27 E28 F11 F13 F18 F20 F22 F23 F24 F25 F26 F27 G4 G9 G11 G18 G20 G22 G23 G24 G25 G26 G27 G28 H3 H26 J1 J22 J23 J24 J25 J26 J27 J28 K27 L22 L23 L24 L25 L26 M3 M26 N3 N22 N23 N24 N25 N26 N27 N28 P27 R27 T26 T27 T28 U26 V6 V7 V26 Y4 Y5 Y6 Y15; U4 A1 A2 A7 A13 A14 AA1 AA14 AB1 AB2 AB13 AB14 B1 B14 D2 D3 D4 D5 D6; U5 6 7 13 15 16 17 18 39; X1 1; X2 1

## Via types
v1: diameter 0.254, hole 0.102, ART09 to BOTTOM, 96 vias
v2: diameter 0.254, hole 0.102, TOP to ART04, 271 vias
v3: diameter 0.406, hole 0.203, GND03 to GND08, 362 vias
v4: diameter 0.254, hole 0.102, GND08 to ART09, 278 vias
v5: diameter 0.254, hole 0.102, TOP to GND03, 636 vias
v6: diameter 0.254, hole 0.102, GND08 to BOTTOM, 400 vias
v7: diameter 0.254, hole 0.102, TOP to ART02, 251 vias
v8: diameter 0.254, hole 0.102, ART02 to ART04, 31 vias
v9: diameter 0.279, hole 0.102, ART02 to GND03, 90 vias
v10: diameter 0.254, hole 0.102, POWER07 to BOTTOM, 229 vias
v11: diameter 0.457, hole 0.203, TOP to BOTTOM, 9 vias
v12: diameter 0.254, hole 0.102, GND03 to ART04, 99 vias
v13: diameter 0.254, hole 0.102, POWER07 to GND08, 107 vias
v14: diameter 0.254, hole 0.102, POWER07 to ART09, 10 vias

## Routing (per net, layer and track width the routed paths; a pad name or vN(x,y) marks a point on that pad's centre or on a via; arc(x,y) is an arc through that point)
GND: length 272.2
  TOP w0.076: U3.D12 U3.C13 ; v7(23.01,10.95) v5(23.41,10.55) 23.71,10.85 23.9,10.85 ; U3.C14 v5(18.61,1.72)
  TOP w0.102: v5(26.21,12.34) 26.09,12.22 26.09,11.94 25.6,11.46 24.66,11.46 24.05,10.85 23.9,10.85
  TOP w0.152: v5(21.01,10.95) 21.01,11.3 21.13,11.42 21.13,12.17 21.3,12.33
  TOP w0.178: U4.A12 v5(4.09,1.85) ; 8.89,2.16 8.59,1.86 U4.B2 U4.A3 ; v5(8.59,3.85) 8.91,3.85
  TOP w0.203: v5(18.19,1.75) 18.61,1.75 U3.C14 ; v5(7.59,8.35) v5(7.59,8.85) v5(7.59,9.35) v5(7.59,9.85) v5(7.59,10.35) v5(7.59,10.85) ; v5(7.59,8.35) v5(7.59,7.85) v5(7.59,7.35) U4.M4 ; v5(7.59,8.35) v5(8.09,8.35) ; 31.4,5.52 U5.1 29.91,5.52 ; v5(14.22,8.95) v5(14.61,8.95) v5(15.01,8.95) v7(15.37,8.95) 15.6,8.95 v7(15.72,9.07) 15.82,9.16 v7(15.82,9.42) v5(15.82,9.75) v7(15.82,10.16) v5(15.82,10.55) ; v5(5.59,5.85) 5.96,5.85 ; v5(5.59,5.85) v5(5.59,5.35) 5.95,5.35 ; v5(5.59,5.85) v5(5.09,5.85) ; v5(22.22,2.55) 22.28,2.62 22.95,2.62 U3.E3 ; 5.96,7.35 v5(5.59,7.35) U4.M8 5.92,6.85 ; U3.C15 v5(18.22,2.95) v5(18.61,2.95) U3.C14 ; v5(7.59,4.85) v5(7.59,5.35) v5(7.59,5.85) v5(7.59,6.35) U4.M4 ; v5(7.59,4.85) U4.H5 6.76,4.85 ; v5(7.59,4.85) U4.G4 ; v5(7.59,4.85) v5(8.09,4.85) ; v5(4.09,11.35) v5(4.59,10.85) ; v7(22.22,10.95) 22.22,10.73 22.03,10.55 U3.AE6 ; 5.9,8.85 v5(5.59,8.85) v5(5.59,8.35) 5.92,8.35 ; U4.A12 3.59,0.95 ; 2.58,3.85 v5(3.09,3.85) ; v5(14.22,3.75) U3.H23 15.55,3.75 15.82,3.49 v5(15.82,2.95) v5(15.82,2.59) v5(15.82,2.15) ; v5(20.22,10.95) v7(20.22,10.54) v7(20.22,10.16) v5(20.22,9.75) ; v5(20.22,10.95) U3.AF11 ; v5(20.22,10.95) v7(20.22,11.35) 20.22,12.04 v5(19.94,12.32) 19.76,12.49 v5(19.76,12.83) v5(19.76,13.46) 19.53,13.69 v5(19.53,14.48) 19.53,15.24 v5(19.74,15.44) v5(20.7,15.44) v5(21.77,15.44) 21.97,15.24 v5(21.97,14.48) 21.97,13.67 v5(21.77,13.46) 21.77,13.08 v5(21.49,12.8) 21.49,12.52 21.3,12.33 ; v5(20.22,10.95) U3.AF9 ; U5.29 26.96,6.87 ; U3.C14 U3.C13 ; v5(7.09,10.85) v5(7.59,10.85) ; v5(7.59,10.85) U4.AA4 ; v5(8.09,2.35) U4.B2 ; v5(8.59,11.35) 9.02,10.92 ; U4.P12 v5(3.09,8.35) 2.58,8.35 ; v5(14.61,1.75) v5(15.01,1.75) v7(15.01,1.35) ; v5(14.61,1.75) v5(14.61,2.55) v5(13.82,2.55) ; v5(14.61,1.75) v5(14.22,1.75) v5(13.82,1.75) U3.B26 13.82,0.76 13.69,0.64 v5(13.21,0.64) ; U4.M4 v5(8.09,6.85) ; U2.31 v5(11.36,17.53) v5(11.61,17.53) 12.31,17.53 ; 2.58,10.35 v5(3.09,10.35) ; v5(18.36,20.53) U2.12 v5(18.11,20.53) v5(17.85,20.53) 17.48,20.53 17.14,20.19 ; 13.48,13.44 v5(13.48,13.9) v5(13.48,14.15) U2.40 v5(13.48,14.41) 13.48,15.31 ; 17.21,17.03 v5(17.85,17.03) v5(18.11,17.03) U2.5 ; U3.D12 U3.D11 20.02,2.15 ; 12.98,13.44 v5(12.98,13.9) v5(12.98,14.15) U2.39 v5(12.98,14.41) v5(12.98,14.66) 12.98,15.29 ; U5.42 31.4,4.7 ; Y2.2 26.82,13.87 27.08,14.12 27.08,15.44 26.87,15.65 v5(26.19,15.65) v5(24.79,15.65) 24.46,15.65 v5(24.23,15.42) v5(24.23,13.41) 24.23,13.06 v5(24.46,12.83) 24.46,12.4 v5(24.32,12.26) v5(23.82,11.75) ; v5(21.01,10.55) v5(21.41,10.55) U3.AE6 ; v5(21.01,10.55) v5(21.01,10.95) U3.AF9 ; v5(21.01,10.55) v5(20.61,10.55) U3.AF9 ; U4.V9 U4.V8 ; U4.V8 5.89,9.85 ; U4.V8 v5(5.59,10.35) ; v5(29.34,3.81) 29.57,4.05 v5(29.57,4.45) v5(29.57,4.7) ; v5(17.42,10.55) v5(17.42,9.75) v7(17.42,9.28) 17.82,8.88 v5(17.82,8.55) v5(17.82,7.75) v7(18.29,7.75) v5(18.67,7.75) v2(19.01,7.75) ; 24.28,9.04 23.11,9.04 U3.AA3 v5(22.61,8.95) v5(22.17,8.95) U3.AA6 21.35,8.95 v7(21.01,9.29) v7(21.01,9.75) ; v5(30.99,15.89) v7(30.99,15.49) ; 20.02,2.15 20.22,1.96 v7(20.22,1.75) ; 20.02,2.15 20.22,2.34 v5(20.22,2.95) v5(20.61,2.95) v5(21.01,2.95) 21.01,3.55 21.22,3.75 v5(21.82,3.75) v5(22.25,3.75) v5(22.61,3.75) ; U3.AF13 v5(18.61,10.95) ; v5(18.61,10.95) v5(18.22,10.95) v7(18.22,10.54) v7(18.22,10.16) v5(18.22,9.75) v5(18.61,9.75) v7(18.61,10.16) v7(18.61,10.54) v5(18.61,10.95) ; U3.U25 v5(15.01,7.35) v5(15.49,7.35) 16.3,7.35 16.7,6.95 U3.T18 v5(17.01,5.75) ; v5(14.61,10.95) v7(14.61,10.67) v7(14.61,10.15) v5(13.82,10.15) ; v5(24.16,0.99) 24.11,0.95 U3.A1 ; U3.AE6 v5(21.82,10.15) v5(22.22,10.15) v5(23.01,10.15) ; v5(3.59,2.35) v5(4.09,1.85) U4.C10 4.59,2.76 ; v5(3.59,2.35) U4.C13 2.78,2.67 ; v5(3.59,2.35) 3.59,2.7 ; U3.D17 v5(17.42,2.95) v5(17.42,4.01) 17.42,4.55 v7(17.55,4.68) v2(17.82,4.95) v7(18.67,4.95) v5(19.01,4.95) v5(19.22,4.74) 19.41,4.55 v5(19.41,3.81) v5(19.41,2.95) ; 13.01,12.13 U3.AH28 12.64,11.75 ; U5.19 27.32,11.55 ; v5(25.53,3.56) 25.88,3.91 v5(26.09,3.91) 26.92,3.91 v5(26.95,3.94) v5(27.69,3.94) ; v5(8.59,3.85) 8.59,3.47 ; U3.M25 v5(14.59,5.35) v5(15.01,5.35) ; v5(22.61,5.35) v5(22.23,5.35) v5(21.82,5.35) v7(20.98,5.35) v5(20.57,5.35) 20.22,5.35 v7(20.09,5.48) v2(19.82,5.75) v7(19.82,6.17) v7(19.82,6.6) v2(19.82,6.95) v7(20.22,7.35) v7(20.95,7.35) v7(21.82,7.35) v7(22.23,7.35) v7(22.61,7.35) ; 12.61,0.95 v5(13.01,0.95) ; 2.58,7.35 v5(3.09,7.35) ; v5(23.01,8.15) 22.94,8.23 21.89,8.23 v5(21.82,8.15) ; U4.A3 8.09,0.98 ; C15.2 v5(13.76,22.35) ; 2.58,5.35 v5(3.09,5.35) ; 6.09,3.2 v5(6.09,2.85) U4.C8 v5(6.09,1.85) v5(5.59,1.35) 5.59,0.9 ; v5(5.59,4.35) 6,4.35 ; v5(5.59,11.35) 6,11.35